# Altium PCB PCB1.PcbDoc (part 2 of 2)
Units mm, origin at the board's own origin, x right, y up, seen from the top; angles counter-clockwise.
Board outline 73 x 86 mm, 2 copper layers (Top Layer, Bottom Layer); 89 components, 65 nets, 355 pads, 98 vias.
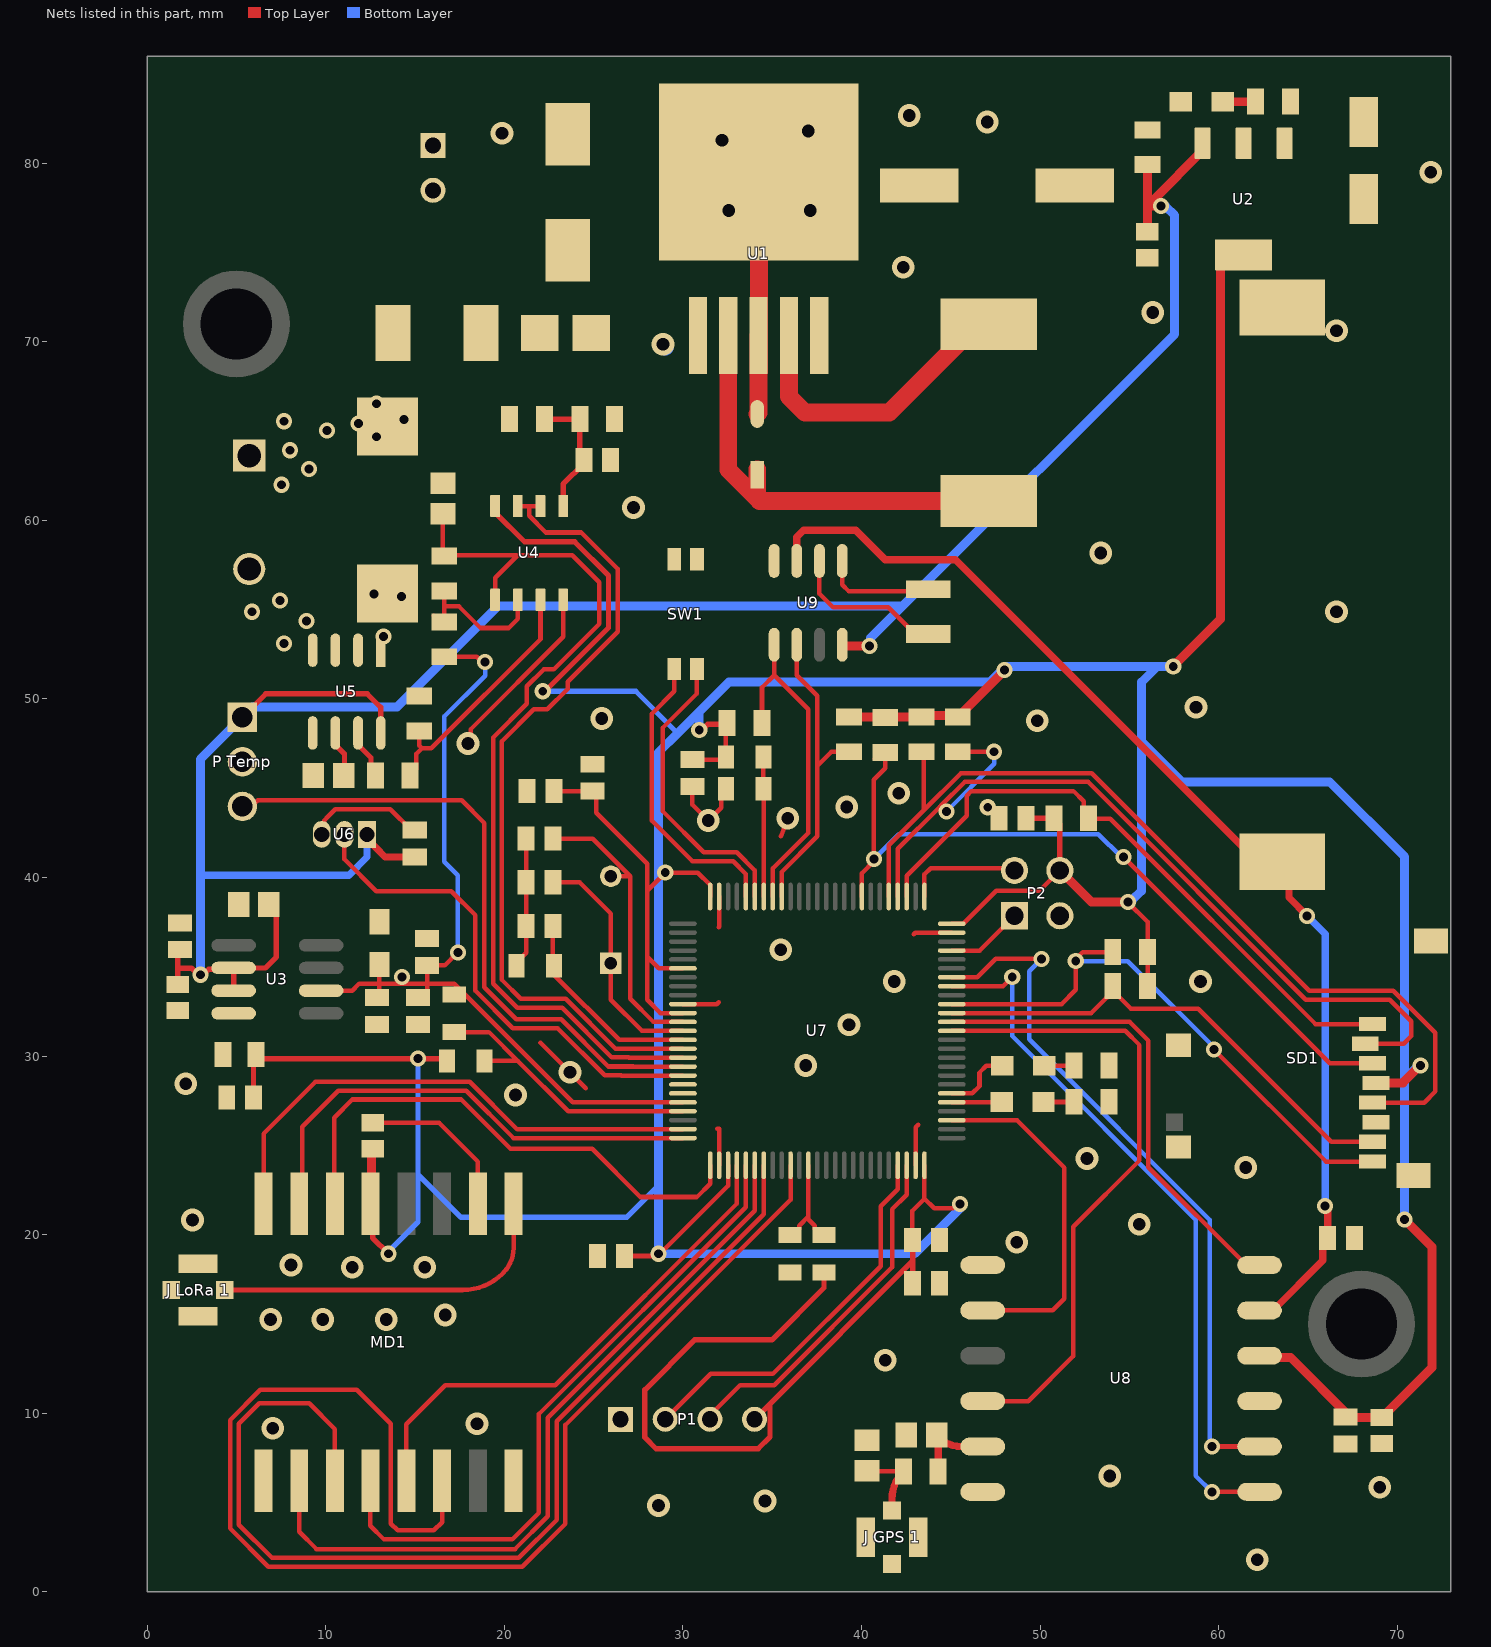
[diagram p2: the nets of this part, all layers, seen from the top]

## Part data (continued)
U5: library part CMP-0826-00001-2, "C10681", Case/Package=SOIC, Current Sensing=20A, Frequency=80kHz, Max Operating Temperature=85°C, Max Supply Current=13mA, Max Supply Voltage=5.5V, Min Operating Temperature=-40°C, Min Supply Voltage=4.5V, Operating Supply Voltage=5V, Output Current=10mA, Package Quantity=1, Accuracy=1.5%, Bandwidth=80kHz, Height=1.5mm, Lead Free="Lead Free", Length=4.9mm, Linearity=1.5%, Number of Channels=1, Number of Pins=8, Packaging="Tape and Reel", Polarity=Bidirectional, Quiescent Current=10mA, Radiation Hardening=No, REACH SVHC="No SVHC", Response Time=5us, RoHS Compliant=Yes, Sensitivity=100mV/A, Series=-, Termination=SMD/SMT, Width=3.9mm
U6: library part CMP-04948-000010-1, "SENSOR ANALOG -40F-230F TO92-3", Ambient Temperature Range High=+230°F, Ambient Temperature Range Low=-40°F, Manufacturer="Texas Instruments", Max Supply Voltage=30V, Min Supply Voltage=4V, Operating Supply Current=75-76uA, Output Current=10mA, Output Voltage=6V, Package=LP0003A, Temperature="-40°C to +110°C", Temperature Range High=+110°C, Temperature Range Low=-40°C, Automotive=No, Category=IC, ComponentLink2Description=Datasheet, ComponentLink2URL=https://www.ti.com/lit/ds/symlink/lm34.pdf, Device Class L1=Sensors, Device Class L2="Temperature and Humidity Sensors", Device Class L3=unset, Digikey Description="SENSOR ANALOG -40F-230F TO92-3", Lead Free=Yes, Manufacturer Part Number=LM34CZ/NOPB, Mouser Description="Board Mount Temperature Sensors PREC FAHRENHEIT TEMP SENSOR", Octopart=https://octopart.com/lm34cz%2Fnopb-texas+instruments-24813949, RoHS=TRUE, Sensor Output="Analog Voltage"
U7: library part CMP-0237-00166-3, "C8308", I/Os (High Current)=80, Operating Frequency(F) (Processor speed) (MHz)=72, Supply Voltage(Vcc) min (V)=2, A/D Converter="3x12-bit (16 Channel)", ComponentLink1Description="Manufacturer URL", ComponentLink1URL=http://www.st.com/web/en/home.html, ComponentLink2Description=Datasheet, ComponentLink2URL=http://www.st.com/st-web-ui/static/active/en/resource/technical/document/datasheet/CD00191185.pdf, ComponentLink3Description="Package Specification", ComponentLink3URL=http://www.st.com/st-web-ui/static/active/en/resource/technical/document/data_brief/DM00071938.pdf, Core="ARM Cortex-M3", D/A Converter="2x12-bit (2 Channel)", DatasheetVersion="Rev. 8", FLASH Size (Prog) (kB)=512, Internal RAM Size (kB)=64, Mounting Technology="Surface Mount", PackageDescription="100-Pin Low Profile Quad Flat Package, 14 x 14 mm Body, 0.5 mm Pitch", PackageReference=LQFP100, PackageVersion="Rev. 1, 06/2013", Packing="Tape and Reel", PartNumber=STM32F103VET6TR
U8: library part CMP-2000-05325-1, "C133488", Manufacturer=Quectel, Maximum Operating Frequency=1575.42MHz, Maximum Operating Supply Voltage=4.3V, Minimum Operating Supply Voltage=3V, Typical Operating Supply Voltage=3.3V, Datasheet URL=http://www.quectel.com/uploadimage/downlad/l80_hardware_design_v1.1.pdf, Datasheet Version="Rev. V1.1, 08/2013", Manufacturer URL=http://www.quectel.com/, Mounting=SurfaceMount, Screening Level=ExtendedIndustrial
U9: library part CMP-0254-00305-1, "C9868", Code_IPC=SOIC127P600-8, Code_JEDEC=MS-012-AA, ComponentLink1Description="Manufacturer URL", ComponentLink1URL=http://www.maxim-ic.com, ComponentLink2Description=Datasheet, ComponentLink2URL=http://datasheets.maxim-ic.com/en/ds/DS1307.pdf, ComponentLink3Description="Package Specification", ComponentLink3URL=http://pdfserv.maxim-ic.com/package_dwgs/21-0041.PDF, DatasheetVersion=10-Feb-2008, PackageDescription="8-Pin Small-Outline IC, Narrow (0.15in), 1.27 mm Pitch, SOIC (N), Pb-Free", PackageReference=S8+2, PackageVersion="revC, 2010"
Y1: library part CMP-1749-00002-1, "C111806", Case\Package=TO-263-3, Dropout Voltage="2 V", Max Input Voltage="35 V", Max Operating Temperature="125 degC", Max Ouput Current="1 A", Min Input Voltage="7 V", Min Operating Temperature="0 degC", Nominal Output Voltage="5 V", Package Quantity=50, ComponentLink1Description="Manufacturer URL", ComponentLink1URL=http://www.foxonline.com/, ComponentLink2Description=Datasheet, ComponentLink2URL=http://download.siliconexpert.com/pdfs/2015/4/5/6/5/7/200/fox_/manual/35607121449963728hc49slf.pdf, DatasheetVersion=Mar-15, Height="30.02 mm", Length="10.24 mm", Mount="Surface Mount", Output Current="1 A", Output Voltage="5 V", Outputs=1, PackageDescription="2-Pin Through Hole Device, Body 11.35 x 4.65 mm", PackageReference=FOXSLF080-20, Packaging=Rail/Tube, Pins=3, Radiation Hardening=No, REACH SVHC="No SVHC", RoHSCompliant=true, Width="9.35 mm"
Y2: library part CMP-27762-006068-1, "C179645", Case/Package=Radial, ESR (Equivalent Series Resistance)=50kR, Frequency=32.768kHz, Frequency Stability=-0.034ppm, Frequency Tolerance=20ppm, Load Capacitance=12.5pF, Max Operating Temperature=85°C, Min Operating Temperature=-40°C, Operating Frequency="32.768 kHz", Package Quantity=500, Depth=1.9mm, Height=0.075inch, Lead Free="Lead Free", Lead Pitch=2.54mm, Length=6mm, Mount="Surface Mount", Number of Pins=2, Packaging="Tape and Reel", REACH SVHC="No SVHC", Series=AB26TRB, Series Resistance=50kR, Termination=Radial, Tolerance=20ppm

## Free pads (board coordinates)
  round 6 hole 4: 0(5,71) 0(68,15)

## Via types
v1: diameter 1.27, hole 0.711, Top Layer to Bottom Layer, 51 vias
v2: diameter 0.9, hole 0.5, Top Layer to Bottom Layer, 47 vias

## Nets (pads, with @x,y where several pads share a name; then routed paths per layer and width w, separated by ;. In a path a pad name is that pad's centre, name@x,y a point inside that pad or via, vN(x,y) a via of type N, cw(c..) or ccw(c..) an arc to the next point about the centre after c; other vN are vias at no path point)
+3.3: C3.2 C19.1 C20.1 C21.1 C22.1 C23.1 C24.1 C25.1 C26.1 C30.1 C31.1 C32.1 C33.1 JR2.2 JR4.2 JR6.1 MD1.13 P1.4 P2.4 R11.2 R12.2 R13.1 R14.1 R15.1 R16.1 R17.1 R18.1 SD1.4 U2.2 U2.4 U4.8 U7.6 U7.11 U7.28 U7.50 U7.75 U7.100 U8.4 | length 367.7
  Top Layer w0.254: MD1.13@12.517,21.734 MD1.13@12.573,21.789 ; C24.1@22.776,44.845 C21.1@24.947,44.845 25.147,44.645 25.147,43.629 27.995,40.781 27.995,39.257 ; C20.1@26.725,18.81 28.591,18.81 32.528,22.747 U7.28@32.528,23.89 ; U7.11@30.003,32.415 28.741,32.415 27.995,33.161 27.995,35.574 ; U7.6@30.003,34.915 28.654,34.915 27.995,35.574 ; C26.1@30.535,46.599 JR4.2@32.255,46.599 ; U7.100@31.528,38.94 31.528,39.586 30.841,40.273 v2(29.011,40.273) 27.995,39.257 ; JR4.2@32.406,46.75 R12.2@32.406,48.58 ; C19.1@42.866,19.699 42.854,19.711 42.854,21.35 43.528,22.024 ; U7.50@43.528,23.89 43.528,22.024 ; U7.75@45.053,37.415 45.699,37.415 47.541,39.257 49.966,39.257 P2.4@51.109,40.4 ; 45.14,21.477 44.075,21.477 43.528,22.024 ; v2(54.919,38.622) 56.021,37.52 R18.1@56.021,35.828 R17.1@56.021,33.923 ; 27.995,35.574 27.995,39.257
  Top Layer w0.3: C23.1@5.957,27.686 5.957,29.96 C31.1@6.096,30.099 6.336,29.859 v2(15.168,29.859) 16.658,29.859 JR6.1@16.785,29.732 ; MD1.13@12.517,21.734 12.628,21.623 12.628,19.826 v2(13.517,18.937) ; U4.8@19.486,60.805 19.486,60.455 21.135,58.806 23.94,58.806 25.836,56.91 25.836,53.989 22.28,50.433 v2(22.153,50.433) ; v2(30.916,48.274) 31.078,48.274 31.384,48.58 R12.2@32.406,48.58 ; P1.4@34.011,9.666 34.877,10.531 ; JR2.2@37.901,17.887 37.901,17.032 34.98,14.111 30.662,14.111 27.868,11.317 27.868,8.65 28.503,8.015 34.218,8.015 34.877,8.674 34.877,10.531 ; C22.1@42.866,17.286 42.866,18.521 ; C19.1@42.866,19.699 42.866,18.521 ; C25.1@49.204,43.321 R13.1@50.769,43.321 51.094,42.996 51.094,41.862 51.109,41.847 P2.4@51.109,40.4 ; 34.877,10.531 42.866,18.521
  Top Layer w0.5: MD1.13@12.573,21.789 12.573,24.758 C32.1@12.628,24.814 C32.1@12.639,24.802 ; R11.2@39.298,48.995 R16.1@43.32,48.995 ; R16.1@43.235,49.077 R14.1@45.268,49.077 ; R14.1@45.438,49.036 v2(48.019,51.617) ; P2.4@51.109,40.4 52.887,38.622 v2(54.919,38.622) ; v2@57.459,51.885 v2(57.459,51.83) 60.098,54.469 60.098,74.242 60.723,74.867 U2.4@61.396,74.867 ; U8.4@62.291,13.222 62.387,13.126 64.032,13.126 67.4,9.758 C30.1@69.143,9.758 69.295,9.758 69.524,9.987 69.524,10.139 71.937,12.552 71.937,19.318 v2(70.413,20.842) ; SD1.4@68.812,28.499 70.323,28.499 v2(71.302,29.478)
  Bottom Layer w0.3: v2(13.517,18.937) 13.517,19.064 15.168,20.715 15.168,23.382 ; v2(15.168,29.859) 15.168,23.382 ; v2(22.153,50.433) 27.36,50.433 29.71,48.084 ; 28.63,22.747 26.852,20.969 17.581,20.969 15.168,23.382
  Bottom Layer w0.5: v2(30.916,48.274) 30.916,49.29 ; v2(45.521,21.731) 45.521,21.477 42.981,18.937 v2(28.63,18.937) 28.63,22.747 28.63,47.004 29.71,48.084 30.916,49.29 ; v2@47.826,51.576 47.191,50.941 32.567,50.941 30.916,49.29 ; v2@47.934,51.576 48.188,51.83 56.57,51.83 ; v2(54.919,38.622) 55.027,38.622 55.154,38.749 55.173,38.749 55.681,39.257 55.681,47.639 ; v2(57.459,51.83) 56.57,51.83 ; v2(70.413,20.842) 70.413,28.716 ; v2(71.302,29.478) 71.194,29.478 70.813,29.097 70.794,29.097 70.413,28.716 ; 55.681,47.639 55.681,50.941 56.57,51.83 ; 55.681,47.639 57.967,45.353 66.222,45.353 70.413,41.162 70.413,28.716
+5: "P Temp.1" C4.1 C6.1 C7.1 C9.1 C12.2 R19.2 U2.3 U3.2 U3.3 U5.8 U6.1 U9.8 | length 134.2
  Top Layer w0.3: C6.1@1.706,34.015 1.706,34.928 ; C7.1@1.833,35.967 1.706,35.84 1.706,34.928 ; U3.3@4.844,33.669 U3.2@4.844,34.939 ; 5.334,48.982 6.644,50.292 12.319,50.292 13.081,49.53 U5.8@13.081,48.103 ; C12.2@6.819,38.481 7.239,38.061 7.239,35.56 6.618,34.939 U3.2@4.844,34.939 ; 1.706,34.928 2.475,34.928 2.844,34.558 v2(2.976,34.558) 3.138,34.558 3.443,34.862 4.767,34.862 U3.2@4.844,34.939
  Top Layer w0.4: U6.1@12.319,42.42 12.319,42.17 12.827,41.662 12.827,41.656 13.323,41.16 C9.1@14.986,41.16
  Top Layer w0.5: U9.8@38.974,52.979 38.98,52.973 v2(40.441,52.973) ; C4.1@56.007,76.165 56.007,77.603 ; R19.2@56.007,79.924 56.007,77.603 ; 56.385,77.981 59.096,80.692 U2.3@59.096,81.117 ; v2(56.769,77.597) 56.763,77.603 56.007,77.603
  Bottom Layer w0.4: 2.976,40.132 11.303,40.132 12.319,41.148 U6.1@12.319,42.42
  Bottom Layer w0.5: v2(2.976,34.558) 2.976,40.132 2.976,46.624 5.334,48.982 5.909,49.557 13.997,49.557 19.636,55.196 42.291,55.196 ; v2(40.441,52.973) 40.518,53.05 40.518,53.422 42.291,55.196 ; v2(56.769,77.597) 57.023,77.597 57.531,77.089 57.531,70.436 42.291,55.196
"Bat Input 40V": C1.2 D1.1 R6.2 U1.1 | length 0.2
  Bottom Layer w1: v1(28.884,69.864) v1@29.011,69.737
GND: "J GPS 1.2" "J GPS 1.3" "J GPS 1.4" "J LoRa 1.2" "J LoRa 1.3" "J LoRa 1.4" "P Temp.2" BT1.2 C1.1 C2.1 C3.1 C4.2 C5.1 C6.2 C7.2 C8.2 C9.2 C10.1 C11.1 C12.1 C13.2 C14.2 C15.2 C16.2 C17.2 C18.2 C19.2 C20.2 C21.2 C22.2 C23.2 C24.2 C25.2 C26.2 C27.1 C28.1 C29.2 C30.2 C31.2 C32.2 C33.2 D3.2 JR1.2 JR3.2 JR5.2 MD1.1 MD1.8 MD1.10 P1.1 P2.3 P3.1 R1.1 R5.1 R7.1 R8.1 R9.1 SD1.6 SD1.10 SD1.11 SD1.12 SD1.13 SW1.3 SW1.4 U1.3 U1.5 U1.6 U2.1 U3.4 U4.4 U5.5 U6.3 U7.10 U7.19 U7.20 U7.27 U7.49 U7.74 U7.99 U8.3 U8.7 U8.12 U9.4 | length 71.2
  Top Layer w0.254: U6.3@9.779,42.42 9.922,42.563 9.922,43.196 10.033,43.307 10.033,43.321 10.541,43.829 13.617,43.829 14.786,42.66 C9.2@14.986,42.66 ; C32.2@12.628,26.268 16.346,26.268 18.517,24.097 MD1.10@18.517,21.734 ; v1(17.962,47.512) 18.109,47.659 18.109,48.294 23.296,53.481 U4.4@23.296,55.555 ; JR5.2@20.688,35.066 20.688,35.266 21.222,35.8 C18.2@21.222,37.298 C15.2@21.222,39.738 C14.2@21.222,42.178 ; 22.026,30.748 v1(23.677,29.097) 24.566,28.208 ; U7.10@30.003,32.915 31.899,32.915 32.004,33.02 ; C26.2@30.535,45.099 30.535,44.083 v1(31.424,43.194) 32.142,43.912 32.142,44.708 JR3.2@32.406,44.972 ; 31.932,25.922 32.028,25.922 U7.27@32.028,23.89 ; 32.004,37.211 32.028,37.235 U7.99@32.028,38.94 ; 35.488,42.305 v1(35.869,43.321) ; 42.926,36.83 43.011,36.915 U7.74@45.053,36.915 ; U7.49@43.028,23.89 43.028,26.01 43.18,26.162 ; v2@47.045,43.956 47.052,43.963 47.262,43.963 47.704,43.521 C25.2@47.704,43.321
  Top Layer w1: D3.2@34.163,65.962 34.231,66.03 34.231,70.348 U1.3@34.241,70.358 U1.3@34.241,68.329 ; U1.3@34.255,68.329 34.267,68.341 U1.6@34.267,79.136
  other v1: 62.158,1.792 28.63,4.84 34.599,5.094 69.016,5.856 53.903,6.491 7.04,9.158 18.47,9.412 41.33,12.968 6.913,15.254 9.834,15.254 13.39,15.254 16.692,15.508 11.485,18.175 15.549,18.175 8.056,18.302 48.696,19.572 55.554,20.588 2.54,20.828 61.523,23.763 52.633,24.271 20.629,27.827 2.159,28.448 36.885,29.478 39.298,31.764 41.838,34.177 58.983,34.177 35.488,35.955 39.171,43.956 42.092,44.718 49.839,48.782 25.455,48.909 58.729,49.544 66.603,54.878 53.395,58.18 27.233,60.72 66.603,70.626 56.316,71.642 42.346,74.182 32.567,77.357 37.139,77.357 71.882,79.502 32.186,81.294 19.867,81.675 37.012,81.802 47.045,82.31 42.672,82.677
  other v2: 47.071,43.939
NetC2_2: C2.2 D2.2 L1.2 R19.1 U1.4 | length 17.7
  Top Layer w1: U1.4@35.941,70.358 35.941,66.929 36.83,66.04 41.552,66.04 46.502,70.99 L1.2@47.752,70.99
NetC10_2: C10.2 R3.1 U4.1 U7.16 | length 52.3
  Top Layer w0.254: C10.2@16.565,60.378 16.565,58.098 16.61,58.053 20.756,58.053 ; U4.1@19.486,55.555 19.486,56.783 20.756,58.053 ; U7.16@30.003,29.915 26.979,29.915 26.967,29.927 26.022,29.927 23.236,32.712 20.724,32.712 19.373,34.063 19.373,47.844 21.264,49.735 21.264,50.719 22.2,51.656 22.771,51.656 25.319,54.203 25.319,56.538 23.804,58.053 20.756,58.053
NetC11_2: C11.2 U5.6 | length 2.6
  Top Layer w0.3: U5.6@10.541,48.103 10.541,47.433 11.049,46.925 11.049,45.759 C11.2@11.01,45.72
NetC13_1: C13.1 R6.1 R7.2 U4.5 | length 7.4
  Top Layer w0.3: R7.2@22.239,65.673 R6.1@24.226,65.673 24.226,63.612 C13.1@24.451,63.387 24.451,63.187 23.296,62.032 U4.5@23.296,60.805
NetC14_1: C14.1 U7.12 Y1.2 | length 16.6
  Top Layer w0.254: C14.1@22.722,42.178 24.947,42.178 27.052,40.073 ; Y1.2@25.963,40.073 27.052,40.073 ; U7.12@30.003,31.915 28.352,31.915 27.052,33.215 27.052,40.073
NetC15_1: C15.1 U7.13 Y1.1 | length 13.6
  Top Layer w0.254: C15.1@22.722,39.738 24.212,39.738 25.963,37.987 Y1.1@25.963,35.193 25.963,33.161 27.709,31.415 U7.13@30.003,31.415
NetC18_1: C18.1 JR5.1 U7.14 | length 11.1
  Top Layer w0.254: JR5.1@22.722,34.624 26.431,30.915 U7.14@30.003,30.915 ; C18.1@22.722,37.298 22.722,35.132 JR5.1@22.788,35.066
NetC27_2: C27.2 R10.1 U8.11 | length 4.6
  Top Layer w0.4: C27.2@44.212,8.777 cw(c44.009,8.574) 44.296,8.574 R10.1@44.296,6.745 ; C27.2@44.337,8.652 ccw(c45.568,9.883) 44.339,8.65 ccw(c45.568,9.883) 45.568,8.142 U8.11@46.791,8.142
NetC28_2: "J GPS 1.1" C28.2 R10.2 | length 4.4
  Top Layer w0.254: C28.2@40.314,6.784 ccw(c40.408,6.878) 40.408,6.745 R10.2@42.346,6.745
  Top Layer w0.4: 41.711,4.562 41.711,5.212 cw(c43.879,5.212) R10.2@42.346,6.745
NetD1_2: D1.2 F1.2
NetD2_1: D2.1 R1.2 | length 1.8
  Top Layer w0.5: D2.1@60.23,83.439 60.237,83.446 62.065,83.446 R1.2@62.072,83.453
NetD3_1: D3.1 L1.1 U1.2 | length 25.8
  Top Layer w1: U1.2@32.541,70.358 32.541,62.836 34.163,61.214 ; D3.1@34.163,62.865 D3.1@34.163,62.562 34.163,61.214 ; L1.1@46.167,62.04 L1.1@47.117,61.09 34.287,61.09 34.163,61.214
NetD4_1: D4.1 R8.2 | length 1.7
  Top Layer w0.254: D4.1@50.197,27.432 51.898,27.432 R8.2@51.912,27.446
NetD4_2: D4.2 U7.55 | length 2.8
  Top Layer w0.254: U7.55@45.053,27.415 47.83,27.415 D4.2@47.847,27.432
NetD5_1: D5.1 R9.2 | length 1.7
  Top Layer w0.254: D5.1@50.229,29.464 51.898,29.464 R9.2@51.912,29.478
NetD5_2: D5.2 U7.56 | length 3.9
  Top Layer w0.254: U7.56@45.053,27.915 46.203,27.915 46.609,28.321 46.609,29.083 46.99,29.464 D5.2@47.879,29.464
NetF1_1: F1.1 P3.2
NetF2_1: F2.1 JCin.1
  other v2: 7.528,61.999 9.052,62.888 7.997,63.93 12.852,64.686 10.068,65.047 11.846,65.428 7.655,65.555 14.377,65.642 12.853,66.531
NetF2_2: F2.2 U5.1 U5.2
  other v2: 13.243,53.49 14.25,55.736 12.7,55.88
"NetJ LoRa 1_1": "J LoRa 1.1" MD1.9 | length 19.9
  Top Layer w0.254: 4.349,16.905 17.671,16.905 ccw(c17.672,20.058) 19.902,17.829 19.941,17.868 ccw(c18.552,19.258) 20.517,19.258 MD1.9@20.517,21.734
NetJCin_2: JCin.2 U5.3 U5.4
  other v2: 7.655,53.109 8.925,54.379 5.877,54.887 7.449,55.505
NetJR1_1: JR1.1 JR2.1 U7.37 | length 6
  Top Layer w0.254: JR1.1@35.996,19.987 36.196,19.987 36.519,20.31 36.519,20.51 37.028,21.019 ; U7.37@37.028,23.89 37.028,21.019 ; JR2.1@37.901,19.987 37.701,19.987 37.378,20.31 37.378,20.51 37.028,20.86 37.028,21.019
NetJR3_1: JR3.1 JR4.1 U7.94 | length 7.8
  Top Layer w0.254: JR4.1@34.506,46.75 JR3.1@34.506,44.972 34.528,44.95 U7.94@34.528,38.94
NetJR6_2: JR6.2 JR7.2 U7.22 | length 16.5
  Top Layer w0.254: JR7.2@17.2,31.349 19.139,31.349 20.756,29.732 ; JR6.2@18.885,29.732 20.756,29.732 ; U7.22@30.003,26.915 23.573,26.915 20.756,29.732
NetMD1_2: MD1.2 U7.31 | length 42.4
  Top Layer w0.254: MD1.2@8.517,6.234 8.517,3.363 9.481,2.399 20.601,2.399 22.435,4.233 22.435,9.757 34.028,21.35 U7.31@34.028,23.89
NetMD1_3: MD1.3 U7.32 | length 59.1
  Top Layer w0.254: MD1.3@10.517,6.234 10.517,9.11 9.072,10.555 6.278,10.555 5.135,9.412 5.135,3.761 6.991,1.905 20.805,1.905 22.929,4.029 22.929,9.553 34.528,21.152 U7.32@34.528,23.89
NetMD1_4: MD1.4 U7.30 | length 37.2
  Top Layer w0.254: MD1.4@12.517,6.234 12.501,6.218 12.501,3.697 13.263,2.935 20.438,2.935 21.941,4.438 21.941,9.962 33.526,21.547 33.526,23.888 U7.30@33.528,23.89
NetMD1_5: MD1.5 U7.29 | length 28.9
  Top Layer w0.254: MD1.5@14.517,6.234 14.517,9.396 16.692,11.571 22.851,11.571 33.028,21.748 U7.29@33.028,23.89
NetMD1_6: MD1.6 U7.35 | length 73.7
  Top Layer w0.254: MD1.6@16.517,6.234 16.517,3.903 16.057,3.443 14.025,3.443 13.644,3.824 13.644,9.412 11.739,11.317 6.341,11.317 4.641,9.617 4.641,3.556 6.786,1.411 21.01,1.411 23.423,3.824 23.423,9.348 36.028,21.953 U7.35@36.028,23.89
NetMD1_14: MD1.14 U7.26 | length 29.9
  Top Layer w0.254: MD1.14@10.517,21.734 10.469,21.782 10.469,26.557 11.485,27.573 17.581,27.573 20.347,24.807 24.919,24.807 27.614,22.112 30.789,22.112 31.528,22.851 U7.26@31.528,23.89
NetMD1_15: MD1.15 U7.25 | length 27.6
  Top Layer w0.254: MD1.15@8.517,21.734 8.691,21.908 8.691,26.049 10.709,28.067 17.862,28.067 20.514,25.415 U7.25@30.003,25.415
NetMD1_16: MD1.16 U7.24 | length 29.7
  Top Layer w0.254: MD1.16@6.517,21.734 6.517,25.653 9.425,28.561 18.067,28.561 20.713,25.915 U7.24@30.003,25.915
NetP1_2: P1.2 U7.47 | length 21.7
  Top Layer w0.254: P1.2@29.011,9.666 31.551,12.206 35.043,12.206 41.076,18.239 41.076,21.604 42.028,22.556 U7.47@42.028,23.89
NetP1_3: P1.3 U7.48 | length 19.9
  Top Layer w0.254: P1.3@31.511,9.666 31.511,9.88 33.202,11.571 35.107,11.571 41.711,18.175 41.711,21.422 42.528,22.239 U7.48@42.528,23.89
NetP2_1: P2.1 U7.72 | length 4.3
  Top Layer w0.254: U7.72@45.053,35.915 46.624,35.915 P2.1@48.569,37.86
NetP2_2: P2.2 U7.76 | length 6.5
  Top Layer w0.254: U7.76@43.528,38.94 43.528,40.185 43.87,40.527 48.442,40.527 P2.2@48.569,40.4
"NetP Temp_3": "P Temp.3" U7.17 | length 36.4
  Top Layer w0.254: 5.334,43.982 5.601,44.249 6.107,44.249 6.181,44.323 17.609,44.323 18.879,43.053 18.879,33.859 20.674,32.063 23.187,32.063 25.829,29.421 27.227,29.421 27.233,29.415 U7.17@30.003,29.415
NetR2_1: R2.1 R3.2 U4.2 | length 8.4
  Top Layer w0.254: R2.1@16.055,54.663 16.403,54.315 R2.1@16.637,54.315 16.637,55.181 ; R3.2@16.637,56.048 16.637,55.181 ; U4.2@20.756,55.555 20.756,54.483 20.248,53.975 18.669,53.975 17.462,55.181 16.637,55.181
NetR4_1: R4.1 U5.7 | length 2.8
  Top Layer w0.3: U5.7@11.811,48.103 11.811,47.437 12.537,46.711 12.537,45.965 R4.1@12.782,45.72
NetR4_2: R4.2 R5.2 U4.3 | length 14.2
  Top Layer w0.254: R4.2@14.732,45.72 15.08,46.068 15.08,46.935 15.389,47.244 ; R5.2@15.24,48.215 15.24,47.393 15.389,47.244 ; U4.3@22.026,55.555 22.026,53.354 15.916,47.244 15.389,47.244
NetR11_1: R11.1 U7.92 U9.6 | length 17.5
  Top Layer w0.254: U7.92@35.528,38.94 35.528,40.313 37.52,42.305 37.52,46.246 ; U9.6@36.377,53.036 36.377,51.33 37.52,50.187 37.52,46.246 ; R11.1@39.298,47.045 38.319,47.045 37.52,46.246
NetR12_1: R12.1 U7.93 U9.5 | length 18.7
  Top Layer w0.254: R12.1@34.431,48.655 34.431,50.646 35.107,51.322 ; U7.93@35.028,38.94 35.028,40.512 37.012,42.496 37.012,49.417 35.107,51.322 ; U9.5@35.107,53.036 35.107,51.322
NetR13_2: R13.2 SD1.1 U7.78 | length 34.9
  Top Layer w0.254: U7.78@42.528,38.94 42.528,40.096 45.902,43.47 45.902,44.591 46.156,44.845 51.871,44.845 52.442,44.274 52.442,43.919 52.577,43.784 52.932,43.784 52.932,43.425 53.067,43.29 53.934,43.29 65.425,31.799 67.85,31.799
NetR14_2: R14.2 SD1.2 U7.79 | length 49
  Top Layer w0.254: U7.79@42.028,38.94 42.028,41.606 44.378,43.956 44.632,43.702 v2(44.759,43.702) ; v2@44.442,44.02 45.775,45.353 52.696,45.353 64.888,33.161 69.587,33.161 70.794,31.954 70.794,31.129 70.364,30.699 SD1.2@68.212,30.699 ; R14.2@45.394,47.045 v2(47.426,47.045)
  Bottom Layer w0.254: v2(44.759,43.702) 47.426,46.369 v2(47.426,47.045)
NetR15_2: R15.2 SD1.3 U7.83 | length 43.2
  Top Layer w0.254: U7.83@40.028,38.94 40.028,40.241 40.695,40.908 v2(40.695,41.035) 40.695,45.48 41.33,46.115 R15.2@41.33,47.004 41.08,47.004 R15.2@40.732,46.656 ; v2(54.665,41.162) 66.228,29.599 SD1.3@68.612,29.599
  Bottom Layer w0.254: v2(40.695,41.035) 42.092,42.432 53.268,42.432 54.538,41.162 v2(54.665,41.162)
NetR16_2: R16.2 SD1.5 U7.80 | length 51.3
  Top Layer w0.254: U7.80@41.528,38.94 41.528,41.805 43.489,43.766 ; R16.2@43.489,46.875 43.489,43.766 ; SD1.5@68.612,27.399 71.509,27.399 72.133,28.023 72.133,31.314 69.778,33.669 65.079,33.669 52.901,45.847 45.57,45.847 43.489,43.766
NetR17_2: R17.2 SD1.7 U7.65 | length 27.1
  Top Layer w0.254: U7.65@45.053,32.415 52.862,32.415 53.723,33.276 53.723,33.325 54.022,33.624 54.071,33.624 R17.2@54.071,33.923 ; R17.2@54.071,33.673 55.091,32.653 58.856,32.653 66.31,25.199 67.85,25.199
NetR18_2: R18.2 SD1.8 U7.66 | length 31.8
  Top Layer w0.254: U7.66@45.053,32.915 51.203,32.915 51.998,33.71 v2(51.998,35.32) ; v2@51.935,35.384 52.379,35.828 R18.2@54.071,35.828 ; v2(59.745,30.367) 66.013,24.099 67.85,24.099
  Bottom Layer w0.254: v2(51.998,35.32) 54.919,35.32 59.745,30.494 v2(59.745,30.367)
NetSW1_1: SW1.1 U7.96 | length 16.8
  Top Layer w0.254: SW1.1@29.519,51.676 29.519,50.433 28.249,49.163 28.249,43.194 30.535,40.908 32.821,40.908 33.528,40.201 U7.96@33.528,38.94
NetSW1_2: SW1.2 U7.95 | length 16.7
  Top Layer w0.254: SW1.2@30.789,51.676 30.789,50.306 28.884,48.401 28.884,43.702 31.17,41.416 33.012,41.416 34.028,40.4 U7.95@34.028,38.94
NetU4_6: U4.6 U4.7 U7.15 | length 45.9
  Top Layer w0.254: U4.7@20.756,60.805 21.391,60.805 ; U4.6@22.026,60.805 21.391,60.805 ; U7.15@30.003,30.415 27.233,30.415 27.227,30.421 26.226,30.421 23.441,33.206 20.928,33.206 19.867,34.268 19.867,47.639 21.645,49.417 22.407,49.417 23.55,50.56 23.55,50.972 26.353,53.775 26.353,57.282 24.312,59.323 22.322,59.323 21.391,60.254 21.391,60.805
NetU6_2: U6.2 U7.18 | length 27.9
  Top Layer w0.254: U6.2@11.049,42.42 11.049,41.021 12.827,39.243 17.037,39.243 18.385,37.895 18.385,33.654 20.47,31.569 22.982,31.569 25.625,28.927 26.552,28.927 26.564,28.915 U7.18@30.003,28.915
NetU7_53: U7.53 U8.8 | length 19.6
  Top Layer w0.254: U7.53@45.053,26.415 48.711,26.415 51.363,23.763 51.363,16.419 50.706,15.762 U8.8@46.791,15.762
NetU7_63: U7.63 U8.10 | length 35.9
  Top Layer w0.254: U7.63@45.053,31.415 54.774,31.415 55.568,30.621 55.568,24.158 51.857,20.447 51.857,13.208 49.331,10.682 U8.10@46.791,10.682
NetU7_64: U7.64 U8.6 | length 27
  Top Layer w0.254: U7.64@45.053,31.915 55.022,31.915 56.062,30.875 56.062,23.781 61.541,18.302 U8.6@62.291,18.302
NetU7_68: U7.68 U8.1 | length 39.7
  Top Layer w0.254: U7.68@45.053,33.915 47.926,33.915 v2(48.442,34.431) ; v2(59.618,5.602) U8.1@62.291,5.602
  Bottom Layer w0.254: v2(48.442,34.431) 48.442,31.129 58.729,20.842 58.729,6.491 v2(59.618,5.602)
NetU7_69: U7.69 U8.2 | length 40
  Top Layer w0.254: U7.69@45.053,34.415 46.485,34.415 47.517,35.447 v2(50.093,35.447) ; v2(59.618,8.142) U8.2@62.291,8.142
  Bottom Layer w0.254: v2(50.093,35.447) 49.395,34.749 49.395,30.939 59.491,20.842 59.491,8.269 v2(59.618,8.142)
NetU9_1: U9.1 Y2.2 | length 6.4
  Top Layer w0.254: U9.1@38.917,57.736 38.917,56.402 39.298,56.021 43.616,56.021 Y2.2@43.743,56.148
NetU9_2: U9.2 Y2.1 | length 8.9
  Top Layer w0.254: U9.2@37.647,57.736 37.647,55.894 38.409,55.132 41.509,55.132 42.993,53.648 Y2.1@43.743,53.648
"Ref 2.5": C5.2 C8.1 C16.1 C17.1 JR7.1 R2.2 U3.6 U7.21 | length 49.1
  Top Layer w0.254: U3.6@9.744,33.669 11.485,33.669 11.866,34.05 13.009,34.05 ; C8.1@12.882,33.276 13.009,33.403 13.009,34.05 ; C5.2@13.009,35.136 13.009,34.05 ; C17.1@15.168,33.276 15.328,33.276 15.676,33.624 15.676,34.05 ; R2.2@16.637,52.365 18.453,52.365 18.748,52.07 v2(18.923,52.07) ; v2(17.399,35.814) 16.663,35.078 C16.1@15.676,35.078 15.676,34.05 ; U7.21@30.003,27.415 23.835,27.415 17.2,34.05 15.676,34.05 ; 13.009,34.05 15.676,34.05
  Bottom Layer w0.254: v2(17.399,35.814) 17.399,40.132 16.637,40.894 16.637,49.022 18.923,51.308 v2(18.923,52.07)
  other v2: 14.279,34.431
V_Bat: BT1.1 C29.1 U8.5 U9.3 | length 64.9
  Top Layer w0.4: U9.3@36.377,57.736 36.377,59.069 36.758,59.45 39.679,59.45 41.33,57.799 45.267,57.799 BT1.1@63.428,39.638 ; U8.5@62.291,15.762 63.041,15.762 65.832,18.553 65.832,19.551 C29.1@66.107,19.826 66.107,21.465 v2(65.968,21.604) ; BT1.1@63.555,40.882 63.936,40.501 63.936,38.876 v2(64.952,37.86)
  Bottom Layer w0.4: v2(64.952,37.86) 65.968,36.844 v2(65.968,21.604)
pads on no net: MD1.7 MD1.11 MD1.12 SD1.9 U3.1 U3.5 U3.7 U3.8 U7.1 U7.2 U7.3 U7.4 U7.5 U7.7 U7.8 U7.9 U7.23 U7.33 U7.34 U7.36 U7.38 U7.39 U7.40 U7.41 U7.42 U7.43 U7.44 U7.45 U7.46 U7.51 U7.52 U7.54 U7.57 U7.58 U7.59 U7.60 U7.61 U7.62 U7.67 U7.70 U7.71 U7.73 U7.77 U7.81 U7.82 U7.84 U7.85 U7.86 U7.87 U7.88 U7.89 U7.90 U7.91 U7.97 U7.98 U8.9 U9.7

## Polygon pours and split planes (outlines as drawn)
GND on Bottom Layer "GND_L02_P001" (solid, remove dead copper, pour order 1): 0.254,85.598 72.644,85.598 72.644,0.381 0.254,0.381 0.254,53.608 14.787,53.608 14.787,75.071 0.254,75.071
GND on Top Layer " " (solid, remove dead copper, pour order 0): 0.254,85.852 72.644,85.852 72.644,0.381 0.254,0.381 0.254,53.608 14.787,53.608 14.787,75.071 0.254,75.071

## Other copper
Top Layer:
  rectangle net GND: 28.955,27.901 31.369,28.448
  rectangle net NetR14_2: 44.704,43.579 44.981,44.45
  rectangle net GND: 39.116,77.851 42.037,79.502
  rectangle net GND: 33.075,83.58 35.107,84.723
  region net NetD1_2: 20.833,70.676 19.486,72.023 18.768,71.305 20.115,69.958
  region net NetD1_2: 19.486,68.975 20.833,70.322 20.115,71.04 18.768,69.693
  rectangle net NetD1_2: 18.724,69.61 21.645,71.388
  region net NetJCin_2: 10.795,53.721 6.096,58.42 4.445,58.42 4.445,54.737 7.239,51.943 10.795,51.943
  region net NetF2_2: 11.557,51.943 13.589,51.943 15.24,53.594 15.24,57.404 15.113,57.531 11.684,57.531 11.557,57.404
  region net NetF2_1: 15.113,66.929 6.096,66.929 4.445,65.278 4.445,62.23 5.334,61.341 9.398,61.341 11.684,63.627 14.986,63.627 15.113,63.754
  region net NetC2_2: 58.42,82.677 57.023,81.28 55.118,81.28 54.102,80.264 54.102,77.343 49.784,73.025 49.784,68.834 46.482,65.532 38.354,65.532 38.354,66.294 49.784,77.724 49.784,81.153 52.959,84.328 58.039,84.328 58.42,83.947
  region net NetF1_1: 12.628,68.594 15.041,68.594 15.422,68.975 15.422,74.563 17.2,76.341 17.2,79.008 16.819,79.389 15.168,79.389 11.739,75.96 11.739,69.483
  region net "Bat Input 40V": 25.709,65.546 25.709,67.578 25.455,67.832 25.836,68.213 27.233,68.213 27.36,68.086 27.36,67.832 26.598,67.07 26.598,65.927
  region net +3.3: 61.015,81.167 61.015,80.024 60.507,79.516 58.983,79.516 58.221,78.754 58.221,75.706 59.364,74.563 66.857,74.563 68.889,76.595 68.889,79.389 62.412,79.389 61.777,80.024 61.777,81.167
  region net "Bat Input 40V": 22.28,76.849 22.28,73.293 23.804,71.769 23.804,69.483 25.455,67.832 31.297,67.832 31.297,72.15 27.741,72.15 24.82,75.071 24.82,76.849
Bottom Layer:
  region net NetF2_1: 15.113,66.929 6.096,66.929 4.445,65.278 4.445,62.23 5.334,61.341 9.398,61.341 11.684,63.627 14.986,63.627 15.113,63.754
  region net NetF2_2: 11.557,51.943 13.589,51.943 15.24,53.594 15.24,57.404 15.113,57.531 11.684,57.531 11.557,57.404
  region net NetJCin_2: 10.795,53.721 6.096,58.42 4.445,58.42 4.445,54.737 7.239,51.943 10.795,51.943
  text "2021/2022" at 71.54,66.309 h1.52 r90
  text "SYMME" at 67.349,66.054 h1.52 r90

## Silkscreen, mask and mechanical layers (free items; w line width, h text height)
Top Overlay:
  lines w0.254: 8.001,39.878 8.001,45.212 8.382,45.72 ; 13.335,40.386 14.732,39.37 15.113,39.37
  text "-" at 4.445,80.899 h1.52
  text "40V" at 1.143,78.867 h1.52
  text "+" at 4.318,76.454 h1.52
  text "+" at 0.381,67.564 h1.52
  text "SYMME" at 9.398,1.905 h1.52
  text "2021/2022" at 9.779,0.508 h1.52
Mechanical 1:
  the board outline again, w0.254
Top Courtyard:
  lines w0.254: 40.695,41.035 40.005,40.345 40.005,26.924 44.958,26.924 ; 43.307,46.99 41.529,45.212 41.529,25.908 45.085,25.908 ; 45.085,26.416 43.18,26.416 43.18,32.385 52.705,32.385 54.102,33.782

## Text inside footprints (layer, text, board x,y; h text height)
BT1: Top Overlay "+" at 60.807,38.931 h1.15 r90